# KiCad board motordecoder2-K3057.kicad_pcb (continued)
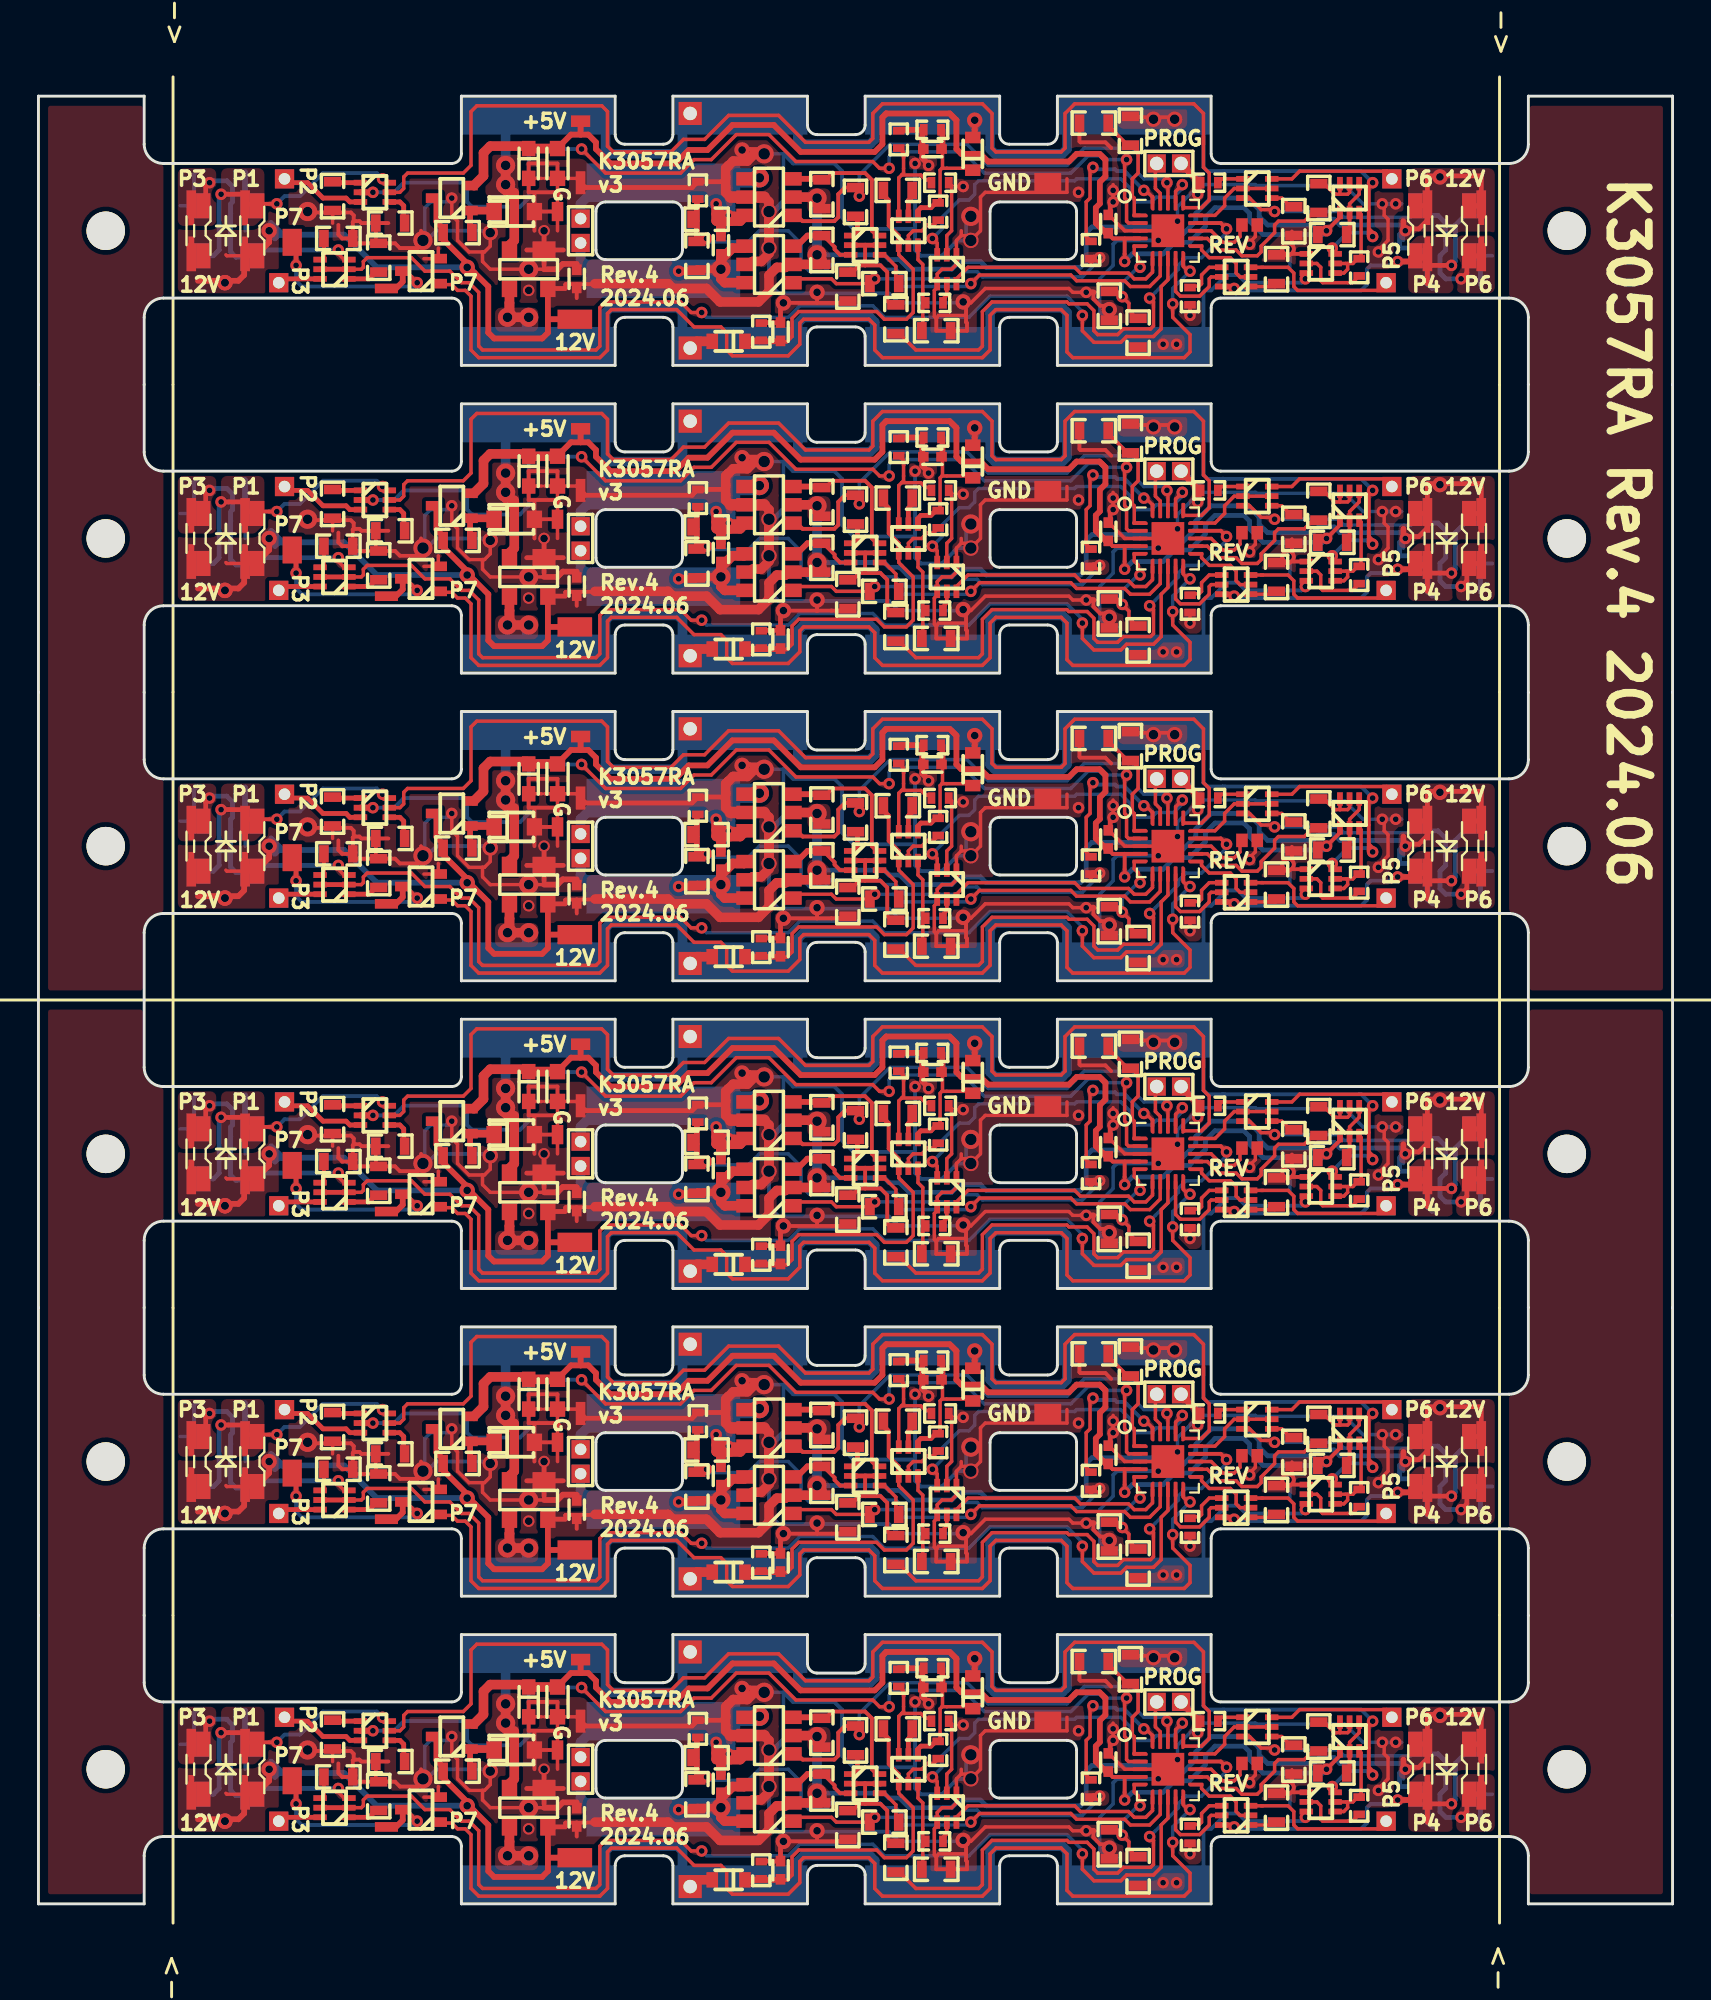
[diagram p0: board, top side]
## Routing (per net, layer and track width the routed paths; a pad name or vN(x,y) marks a point on that pad's centre or on a via; arc(x,y) is an arc through that point) (continued)
REV: length 159.9
  Top w0.18: U4.18 58.75,57.45 58.6,57.6 ; 58.6,25.6 58.75,25.45 U6.18 ; v1(42.7,88.8) 42.7,89.25 ; 58.6,73.6 58.75,73.45 U3.18 ; U7.18 58.75,9.45 58.6,9.6 ; v1(42.7,40.8) 42.7,41.25 ; 58.6,41.6 58.75,41.45 U5.18 ; U2.18 58.75,89.45 58.6,89.6 ; v1(42.7,72.8) 42.7,73.25 ; v1(42.7,8.8) 42.7,9.25 ; v1(42.7,24.8) 42.7,25.25 ; v1(42.7,56.8) 42.7,57.25
  Top w0.2: 42.53,89.33 42.35,89.33 ; 42.53,73.33 42.35,73.33 ; 42.6,89.25 41.95,89.25 41.6,88.9 41.6,87.7 41.4,87.5 39.75,87.5 39.45,87.8 Q1.1 ; Q53.1 39.45,23.8 39.75,23.5 41.4,23.5 41.6,23.7 41.6,24.9 41.95,25.25 42.6,25.25 ; 42.6,9.25 41.95,9.25 41.6,8.9 41.6,7.7 41.4,7.5 39.75,7.5 39.45,7.8 Q66.1 ; 42.4,73.33 42.47,73.33 ; 42.6,41.25 41.95,41.25 41.6,40.9 41.6,39.7 41.4,39.5 39.75,39.5 39.45,39.8 Q40.1 ; Q27.1 39.45,55.8 39.75,55.5 41.4,55.5 41.6,55.7 41.6,56.9 41.95,57.25 42.6,57.25 ; 42.53,25.33 42.35,25.33 ; 42.4,89.33 42.47,89.33 ; 42.4,9.33 42.47,9.33 ; Q4.1 39.45,71.8 39.75,71.5 41.4,71.5 41.6,71.7 41.6,72.9 41.95,73.25 42.6,73.25 ; 42.4,57.33 42.47,57.33 ; 42.4,25.33 42.47,25.33 ; 42.4,41.33 42.47,41.33 ; 42.53,57.33 42.35,57.33 ; 42.53,41.33 42.35,41.33 ; 42.53,9.33 42.35,9.33
  Bottom w0.18: v1(42.7,72.8) 42.7,73.9 44.3,75.5 48.3,75.5 49.4,74.4 53.5,74.4 54.4,75.3 56.9,75.3 57.2,75 57.2,74 57.5,73.7 58.5,73.7 58.6,73.6 ; 58.6,25.6 58.5,25.7 57.5,25.7 57.2,26 57.2,27 56.9,27.3 54.4,27.3 53.5,26.4 49.4,26.4 48.3,27.5 44.3,27.5 42.7,25.9 v1(42.7,24.8) ; v1(42.7,40.8) 42.7,41.9 44.3,43.5 48.3,43.5 49.4,42.4 53.5,42.4 54.4,43.3 56.9,43.3 57.2,43 57.2,42 57.5,41.7 58.5,41.7 58.6,41.6 ; v1(42.7,56.8) 42.7,57.9 44.3,59.5 48.3,59.5 49.4,58.4 53.5,58.4 54.4,59.3 56.9,59.3 57.2,59 57.2,58 57.5,57.7 58.5,57.7 58.6,57.6 ; 58.6,89.6 58.5,89.7 57.5,89.7 57.2,90 57.2,91 56.9,91.3 54.4,91.3 53.5,90.4 49.4,90.4 48.3,91.5 44.3,91.5 42.7,89.9 v1(42.7,88.8) ; 58.6,9.6 58.5,9.7 57.5,9.7 57.2,10 57.2,11 56.9,11.3 54.4,11.3 53.5,10.4 49.4,10.4 48.3,11.5 44.3,11.5 42.7,9.9 v1(42.7,8.8)
  vias: v1(58.7,89.5) v1(58.7,73.5) v1(58.7,57.5) v1(58.7,41.5) v1(58.7,25.5) v1(58.7,9.5)
TXD: length 48.7
  Top w0.18: U4.12 60.8,54.6 61.4,54 62.3,54 62.6,53.7 63.4,53.7 63.6,53.9 63.6,54.2 64.3,54.9 64.3,55.3 64.5,55.5 65.85,55.5 66.3,55.95 R81.2 ; R183.2 66.3,7.95 65.85,7.5 64.5,7.5 64.3,7.3 64.3,6.9 63.6,6.2 63.6,5.9 63.4,5.7 62.6,5.7 62.3,6 61.4,6 60.8,6.6 U7.12 ; U6.12 60.8,22.6 61.4,22 62.3,22 62.6,21.7 63.4,21.7 63.6,21.9 63.6,22.2 64.3,22.9 64.3,23.3 64.5,23.5 65.85,23.5 66.3,23.95 R149.2 ; R13.2 66.3,87.95 65.85,87.5 64.5,87.5 64.3,87.3 64.3,86.9 63.6,86.2 63.6,85.9 63.4,85.7 62.6,85.7 62.3,86 61.4,86 60.8,86.6 U2.12 ; U5.12 60.8,38.6 61.4,38 62.3,38 62.6,37.7 63.4,37.7 63.6,37.9 63.6,38.2 64.3,38.9 64.3,39.3 64.5,39.5 65.85,39.5 66.3,39.95 R115.2 ; U3.12 60.8,70.6 61.4,70 62.3,70 62.6,69.7 63.4,69.7 63.6,69.9 63.6,70.2 64.3,70.9 64.3,71.3 64.5,71.5 65.85,71.5 66.3,71.95 R47.2
UPDI: length 13.6
  Top w0.18: 58.06,42.5 58.1,42.47 58.1,41.2 58.35,40.95 U5.19 ; 58,58.53 58.06,58.6 ; 58,26.53 58.06,26.6 ; 58,42.53 58.06,42.6 ; 58.06,58.5 58.1,58.47 58.1,57.2 58.35,56.95 U4.19 ; 58,10.53 58.06,10.6 ; U2.19 58.35,88.95 58.1,89.2 58.1,90.47 58.06,90.5 ; 58.06,10.5 58.1,10.47 58.1,9.2 58.35,8.95 U7.19 ; 58,90.53 58.06,90.6 ; U6.19 58.35,24.95 58.1,25.2 58.1,26.47 58.06,26.5 ; 58.06,74.5 58.1,74.47 58.1,73.2 58.35,72.95 U3.19 ; 58,74.53 58.06,74.6
VRAIL+: length 46
  Top w0.18: 46.9,56.85 46.9,58.15 47,58.25 ; 46.9,56.85 46.9,56.6 46.75,56.45 46.68,56.45 ; 46.9,56.85 46.9,56.67 ; 47,74.25 47.03,74.28 47.03,75.25 ; 47,74.25 46.9,74.15 46.9,72.85 ; 47,74.25 48.65,74.25 48.75,74.15 ; 47,58.25 48.65,58.25 48.75,58.15 ; 47,58.25 47.03,58.28 47.03,59.25 ; 45.75,24.05 Q64.4 45.75,24 45.8,23.95 ; 45.8,39.95 45.75,40 Q51.4 45.75,40.05 ; 46.68,40.45 46.75,40.45 46.9,40.6 46.9,40.85 ; 45.75,8.05 Q77.4 45.75,8 45.8,7.95 ; 48.75,42.15 48.65,42.25 47,42.25 ; 47.03,91.25 47.03,90.28 47,90.25 ; 47,10.25 48.65,10.25 48.75,10.15 ; 47,10.25 47.03,10.28 47.03,11.25 ; 47,10.25 46.9,10.15 46.9,8.85 ; 45.8,87.95 45.75,88 Q21.4 45.75,88.05 ; 46.9,72.67 46.9,72.85 ; 46.9,72.85 46.9,72.6 46.75,72.45 46.68,72.45 ; 46.9,40.85 46.9,42.15 47,42.25 ; 46.9,40.85 46.9,40.67 ; 45.8,55.95 45.75,56 Q38.4 45.75,56.05 ; 46.68,88.45 46.75,88.45 46.9,88.6 46.9,88.85 ; 47,42.25 47.03,42.28 47.03,43.25 ; 47,26.25 46.9,26.15 46.9,24.85 ; 47,26.25 47.03,26.28 47.03,27.25 ; 47,26.25 48.65,26.25 48.75,26.15 ; 46.9,8.85 46.9,8.6 46.75,8.45 46.68,8.45 ; 46.9,8.85 46.9,8.67 ; 46.9,24.85 46.9,24.6 46.75,24.45 46.68,24.45 ; 46.9,24.85 46.9,24.67 ; 45.75,72.05 Q25.4 45.75,72 45.8,71.95 ; 47,90.25 48.65,90.25 48.75,90.15 ; 47,90.25 46.9,90.15 46.9,88.85 ; 46.9,88.85 46.9,88.67
  Top w0.25: 45.75,8.05 45.9,8.2 46.43,8.2 46.68,8.45 ; 45.75,72.05 45.9,72.2 46.43,72.2 46.68,72.45 ; 46.68,40.45 46.43,40.2 45.9,40.2 45.75,40.05 ; 46.68,24.45 46.43,24.2 45.9,24.2 45.75,24.05 ; 46.68,56.45 46.43,56.2 45.9,56.2 45.75,56.05 ; 46.68,88.45 46.43,88.2 45.9,88.2 45.75,88.05
  Top w0.3: 47.03,92.25 47.03,91.25 ; 47.03,60.25 47.03,59.25 ; 47.03,12.25 47.03,11.25 ; 47.03,76.25 47.03,75.25 ; 47.03,44.25 47.03,43.25 ; 47.03,28.25 47.03,27.25
VRAIL-: length 108.1
  Top w0.18: Q25.1 44.75,69.75 45.5,69 45.5,66.75 45.15,66.4 44,66.4 43.6,66.8 39.55,66.8 39.2,66.45 39.2,65.5 38.92,65.22 38.25,65.22 ; 38.25,17.22 38.92,17.22 39.2,17.5 39.2,18.45 39.55,18.8 43.6,18.8 44,18.4 45.15,18.4 45.5,18.75 45.5,21 44.75,21.75 Q64.1 ; Q51.1 44.75,37.75 45.5,37 45.5,34.75 45.15,34.4 44,34.4 43.6,34.8 39.55,34.8 39.2,34.45 39.2,33.5 38.92,33.22 38.25,33.22 ; 38.25,1.22 38.92,1.22 39.2,1.5 39.2,2.45 39.55,2.8 43.6,2.8 44,2.4 45.15,2.4 45.5,2.75 45.5,5 44.75,5.75 Q77.1 ; 43.95,40.85 R133.2 ; 38.25,81.22 38.92,81.22 39.2,81.5 39.2,82.45 39.55,82.8 43.6,82.8 44,82.4 45.15,82.4 45.5,82.75 45.5,85 44.75,85.75 Q21.1 ; 43.95,88.85 R35.2 ; 43.95,24.85 R167.2 ; 43.95,72.85 R65.2 ; 43.95,56.85 R99.2 ; Q38.1 44.75,53.75 45.5,53 45.5,50.75 45.15,50.4 44,50.4 43.6,50.8 39.55,50.8 39.2,50.45 39.2,49.5 38.92,49.22 38.25,49.22 ; 43.95,8.85 R201.2
  Top w0.2: 37.5,1.22 37.5,1.25 ; 37.5,17.22 37.5,17.25 ; 44.22,72.58 44.22,71.28 44.75,70.75 Q25.1 ; Q51.1 44.75,38.75 44.22,39.28 44.22,40.58 ; 44.22,8.58 44.22,7.28 44.75,6.75 Q77.1 ; 37.5,49.22 37.5,49.25 ; 37.5,81.22 37.5,81.25 ; Q64.1 44.75,22.75 44.22,23.28 44.22,24.58 ; 44.22,56.58 44.22,55.28 44.75,54.75 Q38.1 ; Q21.1 44.75,86.75 44.22,87.28 44.22,88.58 ; 37.5,65.22 37.5,65.25 ; 37.5,33.22 37.5,33.25
  Top w0.25: 44.22,56.58 43.95,56.85 ; 44.22,88.58 43.95,88.85 ; 44.22,72.58 43.95,72.85 ; 44.22,8.58 43.95,8.85 ; 44.22,40.58 43.95,40.85 ; 44.22,24.58 43.95,24.85
  Top w0.3: 37.22,17.25 D60.1 38.47,17.25 38.5,17.28 ; 37.22,1.25 D72.1 38.47,1.25 38.5,1.28 ; 37.22,49.25 D40.1 38.47,49.25 38.5,49.28 ; 38.5,81.28 38.47,81.25 D22.1 37.22,81.25 ; 38.5,33.28 38.47,33.25 D50.1 37.22,33.25 ; 37.22,65.25 D30.1 38.47,65.25 38.5,65.28
Net-(D3-K): length 14.7
  Top w0.3: 22.53,70.9 22.45,70.97 Q10.1 ; 23.65,40.05 D8.1 ; 22.53,86.9 22.45,86.97 Q5.1 ; 22.53,6.9 22.45,6.97 Q69.1 ; Q43.1 22.45,38.97 22.53,38.9 ; 22.53,54.9 22.45,54.97 Q30.1 ; 22.53,22.9 22.45,22.97 Q56.1 ; 23.65,8.05 D62.1 ; 23.65,88.05 D3.1 ; 23.65,56.05 D6.1 ; 23.65,72.05 D4.1 ; 23.65,24.05 D10.1
  Top w0.4: Q5.1 23.65,88.05 ; Q43.1 23.65,40.05 ; Q10.1 23.65,72.05 ; Q56.1 23.65,24.05 ; Q69.1 23.65,8.05 ; Q30.1 23.65,56.05
Net-(D11-K): length 98.3
  Top w0.18: D19.1 10.75,72.17 10.88,72.3 10.88,72.62 ; Q72.6 18.1,9.5 v1(17.9,9.7) ; D41.1 10.75,40.17 10.88,40.3 10.88,40.62 ; Q59.6 18.1,25.5 v1(17.9,25.7) ; Q18.6 18.1,73.5 v1(17.9,73.7) ; v1(17.9,57.7) 18.1,57.5 Q33.6 ; 10.88,8.62 10.88,8.3 10.75,8.17 D63.1 ; 10.88,88.62 10.88,88.3 10.75,88.17 D11.1 ; v1(17.9,89.7) 18.1,89.5 Q11.6 ; v1(17.9,41.7) 18.1,41.5 Q46.6 ; D51.1 10.75,24.17 10.88,24.3 10.88,24.62 ; 10.88,56.62 10.88,56.3 10.75,56.17 D31.1
  Top w0.2: v1(12.4,40.4) 10.97,40.4 10.88,40.3 ; 10.88,72.3 10.97,72.4 v1(12.4,72.4) ; 10.88,8.3 10.97,8.4 v1(12.4,8.4) ; 10.88,56.3 10.97,56.4 v1(12.4,56.4) ; v1(12.4,24.4) 10.97,24.4 10.88,24.3 ; v1(12.4,88.4) 10.97,88.4 10.88,88.3
  Top w0.25: v1(9.5,72.9) 10.8,72.9 ; v1(9.5,40.9) 10.8,40.9 ; v1(9.5,8.9) 10.8,8.9 ; v1(9.5,88.9) 10.8,88.9 ; v1(9.5,56.9) 10.8,56.9 ; v1(9.5,24.9) 10.8,24.9
  Bottom w0.18: 8,86.45 8,85.83 8.12,85.7 ; 8.12,37.7 8,37.83 8,38.45 ; 8,54.45 8,53.83 8.12,53.7 ; 8,70.45 8,69.83 8.12,69.7 ; 8,6.45 8,5.83 8.12,5.7 ; 8,22.45 8,21.83 8.12,21.7
  Bottom w0.2: v1(17.9,25.7) 17.6,26 14.8,26 13.6,24.8 12.8,24.8 v1(12.4,24.4) ; v1(12.4,8.4) 12.8,8.8 13.6,8.8 14.8,10 17.6,10 v1(17.9,9.7) ; v1(17.9,41.7) 17.6,42 14.8,42 13.6,40.8 12.8,40.8 v1(12.4,40.4) ; v1(17.9,89.7) 17.6,90 14.8,90 13.6,88.8 12.8,88.8 v1(12.4,88.4) ; v1(17.9,73.7) 17.6,74 14.8,74 13.6,72.8 12.8,72.8 v1(12.4,72.4) ; v1(12.4,56.4) 12.8,56.8 13.6,56.8 14.8,58 17.6,58 v1(17.9,57.7)
  Bottom w0.25: D23.1 8.5,69.62 D23.1 9.1,69.7 9.4,70 9.4,72.8 v1(9.5,72.9) ; v1(9.5,40.9) 9.4,40.8 9.4,38 9.1,37.7 D43.1 8.5,37.62 D43.1 ; D65.1 8.5,5.62 D65.1 9.1,5.7 9.4,6 9.4,8.8 v1(9.5,8.9) ; D13.1 8.5,85.62 D13.1 9.1,85.7 9.4,86 9.4,88.8 v1(9.5,88.9) ; D33.1 8.5,53.62 D33.1 9.1,53.7 9.4,54 9.4,56.8 v1(9.5,56.9) ; D53.1 8.5,21.62 D53.1 9.1,21.7 9.4,22 9.4,24.8 v1(9.5,24.9)
  Bottom w0.3: 8.62,85.7 8.62,86.03 ; 8.62,21.7 8.62,22.03 ; 8.62,37.7 8.62,38.03 ; 8.62,53.7 8.62,54.03 ; 8.62,69.7 8.62,70.03 ; 8.62,5.7 8.62,6.03
Net-(D12-K): length 132.4
  Top w0.18: 72.12,85.7 72.25,85.83 D12.1 ; D32.1 72.25,53.83 72.12,53.7 ; D42.1 72.25,37.83 72.12,37.7 ; D52.1 72.25,21.83 72.12,21.7 ; D20.1 72.25,69.83 72.12,69.7 ; D64.1 72.25,5.83 72.12,5.7
  Top w0.2: 72.12,69.7 72.3,69.7 ; 72.12,69.7 72.2,69.7 ; 72.12,69.7 72.12,69.38 ; 72.12,5.7 72.2,5.7 ; 72.12,5.7 72.3,5.7 ; 72.12,5.7 72.12,5.38 ; 72.12,21.7 72.3,21.7 ; 72.12,21.7 72.12,21.38 ; 72.12,21.7 72.2,21.7 ; 72.12,53.7 72.3,53.7 ; 72.12,53.7 72.2,53.7 ; 72.12,53.7 72.12,53.38 ; 72.12,37.7 72.2,37.7 ; 72.12,37.7 72.12,37.38 ; 72.12,37.7 72.3,37.7 ; 72.12,85.38 72.12,85.7 ; 72.12,85.7 72.2,85.7 ; 72.12,85.7 72.3,85.7
  Top w0.25: v1(62.2,84) 62.1,84.1 Q12.6 ; Q19.6 62.1,68.1 v1(62.2,68) ; 72.1,85.2 73.4,85.2 ; D42.1 72.25,36.25 ; v1(62.2,52) 62.1,52.1 Q34.6 ; D52.1 72.25,20.25 ; 72.1,5.2 73.4,5.2 ; D20.1 72.25,68.25 ; v1(62.2,20) 62.1,20.1 Q60.6 ; Q47.6 62.1,36.1 v1(62.2,36) ; D12.1 72.25,84.25 ; D32.1 72.25,52.25 ; v1(62.2,4) 62.1,4.1 Q73.6 ; 73.4,69.2 72.1,69.2 ; 72.1,53.2 73.4,53.2 ; D64.1 72.25,4.25 ; 73.4,21.2 72.1,21.2 ; 73.4,37.2 72.1,37.2
  Top w0.3: 72.03,5.6 72.12,5.7 ; 72.03,21.6 72.12,21.7 ; 72.03,69.6 72.12,69.7 ; v1(70.7,37.4) 71.32,37.4 D42.1 71.7,37.62 D42.1 ; D32.1 71.7,53.62 D32.1 71.32,53.4 v1(70.7,53.4) ; 72.03,85.6 72.12,85.7 ; D12.1 71.7,85.62 D12.1 71.32,85.4 v1(70.7,85.4) ; v1(70.7,21.4) 71.32,21.4 D52.1 71.7,21.62 D52.1 ; v1(70.7,5.4) 71.32,5.4 D64.1 71.7,5.62 D64.1 ; 72.03,37.6 72.12,37.7 ; 72.03,53.6 72.12,53.7 ; D20.1 71.7,69.62 D20.1 71.32,69.4 v1(70.7,69.4)
  Bottom w0.2: 74.88,72.3 75,72.17 75,71.55 ; 70.5,53.4 70.7,53.6 ; 74.88,40.3 75,40.17 75,39.55 ; 74.88,56.3 75,56.17 75,55.55 ; v1(70.7,85.4) 70.5,85.2 69.3,85.2 69.1,85 69.1,84.2 68.8,83.9 62.3,83.9 62.1,84.1 ; 74.88,8.3 75,8.17 75,7.55 ; v1(70.7,69.4) 70.5,69.2 69.3,69.2 69.1,69 69.1,68.2 68.8,67.9 62.3,67.9 62.1,68.1 ; 70.5,85.4 70.7,85.6 ; v1(70.7,53.4) 70.5,53.2 69.3,53.2 69.1,53 69.1,52.2 68.8,51.9 62.3,51.9 62.1,52.1 ; 75,23.55 75,24.17 74.88,24.3 ; v1(70.7,37.4) 70.5,37.2 69.3,37.2 69.1,37 69.1,36.2 68.8,35.9 62.3,35.9 62.1,36.1 ; 75,87.55 75,88.17 74.88,88.3 ; 70.5,21.4 70.7,21.6 ; 62.1,20.1 62.3,19.9 68.8,19.9 69.1,20.2 69.1,21 69.3,21.2 70.5,21.2 v1(70.7,21.4) ; 70.5,69.4 70.7,69.6 ; 70.5,5.4 70.7,5.6 ; 70.5,37.4 70.7,37.6 ; v1(70.7,5.4) 70.5,5.2 69.3,5.2 69.1,5 69.1,4.2 68.8,3.9 62.3,3.9 62.1,4.1
  Bottom w0.25: 74.7,87.8 74.2,87.8 ; 74.38,72.3 74.93,72.3 75,72.38 ; 74.38,56.3 74.93,56.3 75,56.38 ; 74.7,55.8 74.2,55.8 ; 74.38,71.97 73.7,71.3 73.7,69.4 v1(73.5,69.2) ; 74.38,23.97 73.7,23.3 73.7,21.4 v1(73.5,21.2) ; 74.38,8.3 74.93,8.3 75,8.38 ; 74.38,55.97 73.7,55.3 73.7,53.4 v1(73.5,53.2) ; 74.38,87.97 73.7,87.3 73.7,85.4 v1(73.5,85.2) ; 74.2,23.8 74.7,23.8 ; 74.7,7.8 74.2,7.8 ; v1(73.5,5.2) 73.7,5.4 73.7,7.3 74.38,7.97 ; 75,40.38 74.93,40.3 74.38,40.3 ; 75,24.38 74.93,24.3 74.38,24.3 ; 74.38,39.97 73.7,39.3 73.7,37.4 v1(73.5,37.2) ; 74.2,71.8 74.7,71.8 ; 74.38,88.3 74.93,88.3 75,88.38 ; 74.2,39.8 74.7,39.8
  Bottom w0.3: 74.38,7.97 74.38,8.3 ; 74.38,71.97 74.38,72.3 ; 74.38,23.97 74.38,24.3 ; 74.38,39.97 74.38,40.3 ; 74.38,87.97 74.38,88.3 ; 74.38,55.97 74.38,56.3
Net-(D15-K): length 128.1
  Top w0.18: 64.3,8.1 63.6,8.1 63,8.7 Q75.3 ; Q23.3 63,72.7 63.6,72.1 64.3,72.1 ; Q14.3 63,88.7 63.6,88.1 64.3,88.1 ; Q36.3 63,56.7 63.6,56.1 64.3,56.1 ; 64.3,40.1 63.6,40.1 63,40.7 Q49.3 ; Q62.3 63,24.7 63.6,24.1 64.3,24.1
  Top w0.25: D47.1 D47.1 74.97,37.7 D47.1 74.3,37.58 74.3,36.8 v1(74,36.5) ; 74,36.6 74,36.59 ; D17.1 D17.1 74.97,85.7 D17.1 74.3,85.58 74.3,84.8 v1(74,84.5) ; v1(74,68.5) 74.3,68.8 74.3,69.58 D27.1 74.97,69.7 D27.1 D27.1 ; 74,84.6 74,84.59 ; D57.1 D57.1 74.97,21.7 D57.1 74.3,21.58 74.3,20.8 v1(74,20.5) ; v1(74,4.5) 74.3,4.8 74.3,5.58 D69.1 74.97,5.7 D69.1 D69.1 ; 74,4.6 74,4.59 ; 74,20.6 74,20.59 ; 74,68.6 74,68.59 ; 64.3,72.1 64.3,72.09 ; 64.3,56.1 64.3,56.09 ; D37.1 D37.1 74.97,53.7 D37.1 74.3,53.58 74.3,52.8 v1(74,52.5) ; 64.3,40.1 64.3,40.09 ; 64.3,8.1 64.3,8.09 ; 64.3,24.1 64.3,24.09 ; 64.3,88.1 64.3,88.09 ; 74,52.6 74,52.59
  Bottom w0.18: 64.39,8 64.3,8.09 ; 72.2,39.8 71.5,39.8 71.4,39.7 67.9,39.7 67.6,40 64.19,40 ; 72.2,7.8 71.5,7.8 71.4,7.7 67.9,7.7 67.6,8 64.19,8 ; 72.12,24.3 72.25,24.17 D55.1 ; 72.12,88.3 72.25,88.17 D15.1 ; 64.39,72 64.3,72.09 ; 64.39,56 64.3,56.09 ; 72.12,8.3 72.25,8.17 D67.1 ; 72.2,55.8 71.5,55.8 71.4,55.7 67.9,55.7 67.6,56 64.19,56 ; 72.12,56.3 72.25,56.17 D35.1 ; 72.2,71.8 71.5,71.8 71.4,71.7 67.9,71.7 67.6,72 64.19,72 ; 72.2,23.8 71.5,23.8 71.4,23.7 67.9,23.7 67.6,24 64.19,24 ; 72.12,40.3 72.25,40.17 D45.1 ; 72.12,72.3 72.25,72.17 D25.1 ; 64.39,24 64.3,24.09 ; 64.19,88 67.6,88 67.9,87.7 71.4,87.7 71.5,87.8 72.2,87.8 ; 64.39,88 64.3,88.09 ; 64.39,40 64.3,40.09
  Bottom w0.25: 72.25,71.45 D25.1 D25.1 72.18,72.3 D25.1 72.12,71.8 72.8,71.8 73.2,71.4 73.2,70 72.9,69.7 72.9,68.8 73.2,68.5 v1(74,68.5) ; v1(74,84.5) 73.2,84.5 72.9,84.8 72.9,85.7 73.2,86 73.2,87.4 72.8,87.8 72.12,87.8 D15.1 72.18,88.3 D15.1 D15.1 72.25,87.45 ; 72.25,39.45 D45.1 D45.1 72.18,40.3 D45.1 72.12,39.8 72.8,39.8 73.2,39.4 73.2,38 72.9,37.7 72.9,36.8 73.2,36.5 v1(74,36.5) ; v1(74,52.5) 73.2,52.5 72.9,52.8 72.9,53.7 73.2,54 73.2,55.4 72.8,55.8 72.12,55.8 D35.1 72.18,56.3 D35.1 D35.1 72.25,55.45 ; v1(74,20.5) 73.2,20.5 72.9,20.8 72.9,21.7 73.2,22 73.2,23.4 72.8,23.8 72.12,23.8 D55.1 72.18,24.3 D55.1 D55.1 72.25,23.45 ; 72.25,7.45 D67.1 D67.1 72.18,8.3 D67.1 72.12,7.8 72.8,7.8 73.2,7.4 73.2,6 72.9,5.7 72.9,4.8 73.2,4.5 v1(74,4.5)
  vias: v1(64.3,88) v1(64.3,72) v1(64.3,56) v1(64.3,40) v1(64.3,24) v1(64.3,8)
Net-(D16-K): length 82.3
  Top w0.18: Q35.3 15.9,53.5 15.6,53.8 v1(15.6,54) ; v1(15.6,70) 15.6,69.8 15.9,69.5 Q20.3 ; Q74.3 15.9,5.5 15.6,5.8 v1(15.6,6) ; Q61.3 15.9,21.5 15.6,21.8 v1(15.6,22) ; v1(15.6,86) 15.6,85.8 15.9,85.5 Q13.3 ; v1(15.6,38) 15.6,37.8 15.9,37.5 Q48.3
  Top w0.25: v1(8.9,9.5) 8.7,9.3 8.7,8.42 D70.1 ; D58.1 8.7,24.42 8.7,25.3 v1(8.9,25.5) ; v1(8.9,57.5) 8.7,57.3 8.7,56.42 D38.1 ; v1(8.9,41.5) 8.7,41.3 8.7,40.42 D48.1 ; v1(8.9,73.5) 8.7,73.3 8.7,72.42 D28.1 ; D18.1 8.7,88.42 8.7,89.3 v1(8.9,89.5)
  Bottom w0.18: 11.17,38 10.88,37.7 10.75,37.83 D46.1 ; 11.17,22 10.88,21.7 10.75,21.83 D56.1 ; D68.1 10.75,5.83 10.88,5.7 11.17,6 ; 11.17,70 10.88,69.7 10.75,69.83 D26.1 ; D16.1 10.75,85.83 10.88,85.7 11.17,86 ; 11.17,54 10.88,53.7 10.75,53.83 D36.1
  Bottom w0.25: 8.8,73.5 8.9,73.4 9.1,73.6 9.8,73.6 10.1,73.3 10.1,72.5 10,72.4 10,69.9 10.28,69.62 D26.1 ; D36.1 10.28,53.62 10,53.9 10,56.4 10.1,56.5 10.1,57.3 9.8,57.6 9.1,57.6 8.9,57.4 8.8,57.5 ; 8.8,9.5 8.9,9.4 9.1,9.6 9.8,9.6 10.1,9.3 10.1,8.5 10,8.4 10,5.9 10.28,5.62 D68.1 ; D16.1 10.28,85.62 10,85.9 10,88.4 10.1,88.5 10.1,89.3 9.8,89.6 9.1,89.6 8.9,89.4 8.8,89.5 ; D46.1 10.28,37.62 10,37.9 10,40.4 10.1,40.5 10.1,41.3 9.8,41.6 9.1,41.6 8.9,41.4 8.8,41.5 ; v1(15.6,86) 11.17,86 ; v1(15.6,54) 11.17,54 ; v1(15.6,38) 11.17,38 ; v1(15.6,70) 11.17,70 ; v1(15.6,22) 11.17,22 ; v1(15.6,6) 11.17,6 ; 8.8,25.5 8.9,25.4 9.1,25.6 9.8,25.6 10.1,25.3 10.1,24.5 10,24.4 10,21.9 10.28,21.62 D56.1
Net-(J12-Pin_1): length 48.6
  Top w0.18: 63.6,85.1 65,85.1 65.3,84.8 65.3,84.1 65.5,83.9 70.15,83.9 ; Q34.3 63.7,53.1 ; Q73.3 63.7,5.1 ; Q60.3 63.7,21.1 ; 63.6,37.1 65,37.1 65.3,36.8 65.3,36.1 65.5,35.9 70.15,35.9 ; Q12.3 63.7,85.1 ; 70.15,51.9 65.5,51.9 65.3,52.1 65.3,52.8 65,53.1 63.6,53.1 ; 70.15,3.9 65.5,3.9 65.3,4.1 65.3,4.8 65,5.1 63.6,5.1 ; Q19.3 63.7,69.1 ; 63.6,69.1 65,69.1 65.3,68.8 65.3,68.1 65.5,67.9 70.15,67.9 ; 63.6,21.1 65,21.1 65.3,20.8 65.3,20.1 65.5,19.9 70.15,19.9 ; Q47.3 63.7,37.1
Net-(J14-Pin_1): length 14.4
  Top w0.25: Q35.6 12.25,52.5 ; Q20.6 12.25,68.5 ; Q48.6 12.25,36.5 ; Q13.6 12.25,84.5 ; Q61.6 12.25,20.5 ; Q74.6 12.25,4.5
Net-(J16-Pin_1): length 42.1
  Top w0.18: Q75.6 65.2,9.7 65.6,10.1 70.15,10.1 70.75,9.5 ; Q23.6 65.2,73.7 65.6,74.1 70.15,74.1 70.75,73.5 ; Q36.6 65.2,57.7 65.6,58.1 70.15,58.1 70.75,57.5 ; Q62.6 65.2,25.7 65.6,26.1 70.15,26.1 70.75,25.5 ; 70.75,41.5 70.15,42.1 65.6,42.1 65.2,41.7 Q49.6 ; Q14.6 65.2,89.7 65.6,90.1 70.15,90.1 70.75,89.5
Net-(J18-Pin_1): length 26.7
  Top w0.2: 13,89.5 J18.1 ; 13,9.5 J45.1 ; 13,57.5 J27.1 ; 13,41.5 J33.1 ; 13,73.5 J21.1 ; 13,25.5 J39.1
  Top w0.25: Q46.3 16.2,40.5 16,40.7 14.8,40.7 14,41.5 13,41.5 ; 13,57.5 14,57.5 14.8,56.7 16,56.7 16.2,56.5 Q33.3 ; 13,73.5 14,73.5 14.8,72.7 16,72.7 16.2,72.5 Q18.3 ; 13,9.5 14,9.5 14.8,8.7 16,8.7 16.2,8.5 Q72.3 ; 13,25.5 14,25.5 14.8,24.7 16,24.7 16.2,24.5 Q59.3 ; 13,89.5 14,89.5 14.8,88.7 16,88.7 16.2,88.5 Q11.3
Net-(J19-Pin_1): length 62.6
  Top w0.2: Q76.3 19.1,4.9 v1(19.7,4.3) ; Q37.3 19.1,52.9 v1(19.7,52.3) ; v1(19.7,20.3) 19.1,20.9 Q63.3 ; v1(19.7,68.3) 19.1,68.9 Q24.3 ; v1(19.7,36.3) 19.1,36.9 Q50.3 ; v1(19.7,84.3) 19.1,84.9 Q15.3
  Top w0.25: v1(13.4,85.2) 13.4,85.8 13.2,86 ; 13.2,38 13.4,37.8 v1(13.4,37.2) ; 13.2,54 13.4,53.8 v1(13.4,53.2) ; 13.2,70 13.4,69.8 v1(13.4,69.2) ; 13.2,22 13.4,21.8 v1(13.4,21.2) ; 13.2,6 13.4,5.8 v1(13.4,5.2)
  Top w0.3: Q24.3 18.95,68.35 18.6,68 ; Q50.3 18.95,36.35 18.6,36 ; J20.1 18.3,84 ; Q76.3 18.95,4.35 18.6,4 ; 18.6,20 18.95,20.35 Q63.3 ; Q37.3 18.95,52.35 18.6,52 ; J41.1 18.3,20 ; J29.1 18.3,52 ; 18.6,84 18.95,84.35 Q15.3 ; J35.1 18.3,36 ; J47.1 18.3,4 ; J23.1 18.3,68
  Bottom w0.2: v1(13.4,53.2) 13.4,52.4 13.7,52.1 19.5,52.1 v1(19.7,52.3) ; v1(13.4,5.2) 13.4,4.4 13.7,4.1 19.5,4.1 v1(19.7,4.3) ; v1(19.7,68.3) 19.5,68.1 13.7,68.1 13.4,68.4 v1(13.4,69.2) ; v1(19.7,36.3) 19.5,36.1 13.7,36.1 13.4,36.4 v1(13.4,37.2) ; v1(19.7,20.3) 19.5,20.1 13.7,20.1 13.4,20.4 v1(13.4,21.2) ; v1(13.4,85.2) 13.4,84.4 13.7,84.1 19.5,84.1 v1(19.7,84.3)
Net-(Q1B-G): length 44.8
  Top w0.2: Q9.6 43.6,70.75 43.35,71 43.35,73.65 43,74 41.3,74 40.95,73.65 R29.2 ; R173.2 40.95,9.65 41.3,10 43,10 43.35,9.65 43.35,7 43.6,6.75 Q68.6 ; Q3.6 43.6,86.75 43.35,87 43.35,89.65 43,90 41.3,90 40.95,89.65 R3.2 ; Q42.6 43.6,38.75 43.35,39 43.35,41.65 43,42 41.3,42 40.95,41.65 R105.2 ; R139.2 40.95,25.65 41.3,26 43,26 43.35,25.65 43.35,23 43.6,22.75 Q55.6 ; R71.2 40.95,57.65 41.3,58 43,58 43.35,57.65 43.35,55 43.6,54.75 Q29.6
  Top w0.3: Q27.3 40.62,57.7 ; Q66.3 40.62,9.7 ; Q1.3 40.62,89.7 ; Q4.3 40.62,73.7 ; Q53.3 40.62,25.7 ; Q40.3 40.62,41.7
Net-(Q2B-G): length 23
  Top w0.2: Q9.3 41.7,69.75 41.41,70.04 41.41,70.16 40.75,70.83 ; 40.75,86.83 41.41,86.16 41.41,86.04 41.7,85.75 Q3.3 ; 40.75,22.83 41.41,22.16 41.41,22.04 41.7,21.75 Q55.3 ; 40.75,54.83 41.41,54.16 41.41,54.04 41.7,53.75 Q29.3 ; Q42.3 41.7,37.75 41.41,38.04 41.41,38.16 40.75,38.83 ; 40.75,6.83 41.41,6.16 41.41,6.04 41.7,5.75 Q68.3
  Top w0.3: Q67.3 39.45,6.2 40,6.75 40.67,6.75 40.75,6.83 ; 40.75,22.83 40.67,22.75 40,22.75 39.45,22.2 Q54.3 ; 40.75,38.83 40.67,38.75 40,38.75 39.45,38.2 Q41.3 ; 40.75,70.83 40.67,70.75 40,70.75 39.45,70.2 Q7.3 ; 40.75,86.83 40.67,86.75 40,86.75 39.45,86.2 Q2.3 ; Q28.3 39.45,54.2 40,54.75 40.67,54.75 40.75,54.83
Net-(Q3A-B1): length 42.5
  Top w0.2: Q3.5 43.8,86.2 ; 44.5,67.03 44.15,67.38 44.15,68.85 43.8,69.2 43,69.2 ; 43,85.2 42.7,85.2 42.35,84.85 R8.1 ; 43,85.2 43.8,85.2 44.15,84.85 44.15,83.38 44.5,83.03 ; 43,85.2 43,86.25 ; R42.1 42.35,68.85 42.7,69.2 43,69.2 ; 43,21.2 43,22.25 ; 43,21.2 43.8,21.2 44.15,20.85 44.15,19.38 44.5,19.03 ; 43,21.2 42.7,21.2 42.35,20.85 R144.1 ; R76.1 42.35,52.85 42.7,53.2 43,53.2 ; 43,69.2 43,70.25 ; 44.5,35.03 44.15,35.38 44.15,36.85 43.8,37.2 43,37.2 ; 42.18,20.88 42.18,20.92 42.25,21 ; 43,53.2 43,54.25 ; 43,53.2 43.8,53.2 44.15,52.85 44.15,51.38 44.5,51.03 ; Q29.5 43.8,54.2 ; 42.18,84.88 42.18,84.92 42.25,85 ; R178.1 42.35,4.85 42.7,5.2 43,5.2 ; 42.18,36.88 42.18,36.92 42.25,37 ; Q68.5 43.8,6.2 ; Q9.5 43.8,70.2 ; 43,37.2 42.7,37.2 42.35,36.85 R110.1 ; 43,37.2 43,38.25 ; 42.18,68.88 42.18,68.92 42.25,69 ; 43,5.2 43,6.25 ; 43,5.2 43.8,5.2 44.15,4.85 44.15,3.38 44.5,3.03 ; 42.18,4.88 42.18,4.92 42.25,5 ; 42.25,53 42.18,52.92 42.18,52.88 ; Q42.5 43.8,38.2 ; Q55.5 43.8,22.2
  Top w0.25: Q29.5 Q29.2 ; Q3.5 Q3.2 ; Q68.5 Q68.2 ; Q42.2 Q42.5 ; Q9.2 Q9.5 ; Q55.5 Q55.2
Net-(Q3A-E1): length 7.2
  Top w0.2: Q55.1 42.35,22.75 ; Q9.1 42.35,70.75 ; Q42.1 42.35,38.75 ; Q68.1 42.35,6.75 ; Q3.1 42.35,86.75 ; Q29.1 42.35,54.75
  Top w0.25: 42.6,55.75 42.6,55 42.35,54.75 ; 42.6,7.75 42.6,7 42.35,6.75 ; 42.35,38.75 42.6,39 42.6,39.75 ; 42.6,23.75 42.6,23 42.35,22.75 ; 42.6,71.75 42.6,71 42.35,70.75 ; 42.6,87.75 42.6,87 42.35,86.75
Net-(Q3B-E2): length 12.6
  Top w0.18: 44.82,52.25 44.6,52.47 44.6,53.15 44,53.75 Q29.4 ; 44.82,68.25 44.6,68.47 44.6,69.15 44,69.75 Q9.4 ; 44.82,84.25 44.6,84.47 44.6,85.15 44,85.75 Q3.4 ; Q68.4 44,5.75 44.6,5.15 44.6,4.47 44.82,4.25 ; 44.82,36.25 44.6,36.47 44.6,37.15 44,37.75 Q42.4 ; Q55.4 44,21.75 44.6,21.15 44.6,20.47 44.82,20.25
Net-(Q6A-B1): length 17.3
  Top w0.18: Q31.4 68.7,56.9 68.2,56.4 Q31.2 ; Q70.2 68.2,8.4 68.7,8.9 Q70.4 ; Q44.2 68.2,40.4 68.7,40.9 Q44.4 ; Q16.2 68.2,72.4 68.7,72.9 Q16.4 ; Q57.4 68.7,24.9 68.2,24.4 Q57.2 ; Q6.2 68.2,88.4 68.7,88.9 Q6.4
  Top w0.2: 68.12,86.8 68.2,86.88 Q6.2 ; 68.12,38.8 68.2,38.88 Q44.2 ; 68.12,70.8 68.2,70.88 Q16.2 ; Q70.2 68.2,6.88 68.12,6.8 ; 68.12,54.8 68.2,54.88 Q31.2 ; Q57.2 68.2,22.88 68.12,22.8
Net-(Q6A-C1): length 17.2
  Top w0.18: Q6.5 68.2,89 68.1,88.9 67.7,88.9 ; 67.7,8.9 Q70.6 ; 67.7,8.9 68.1,8.9 68.2,9 Q70.5 ; 67.7,8.9 67.43,8.9 66.88,9.45 R183.1 ; 67.7,24.9 Q57.6 ; 67.7,24.9 67.43,24.9 66.88,25.45 R149.1 ; 67.7,24.9 68.1,24.9 68.2,25 Q57.5 ; 67.7,72.9 67.43,72.9 66.88,73.45 R47.1 ; 67.7,72.9 Q16.6 ; 67.7,72.9 68.1,72.9 68.2,73 Q16.5 ; 67.7,40.9 Q44.6 ; 67.7,40.9 68.1,40.9 68.2,41 Q44.5 ; 67.7,40.9 67.43,40.9 66.88,41.45 R115.1 ; 67.7,88.9 67.43,88.9 66.88,89.45 R13.1 ; 67.7,88.9 Q6.6 ; 67.7,56.9 67.43,56.9 66.88,57.45 R81.1 ; 67.7,56.9 Q31.6 ; 67.7,56.9 68.1,56.9 68.2,57 Q31.5
Net-(Q6B-C2): length 29
  Top w0.18: Q17.5 68.38,69.3 68.8,69.72 68.8,71.85 Q16.3 ; Q31.3 68.8,55.85 68.8,53.72 68.38,53.3 Q32.5 ; Q6.3 68.8,87.85 68.8,85.72 68.38,85.3 Q8.5 ; 68.1,53.3 68.1,53 67.9,52.8 Q32.4 ; Q45.4 67.9,36.8 68.1,37 68.1,37.3 ; Q17.4 67.9,68.8 68.1,69 68.1,69.3 ; Q8.4 67.9,84.8 68.1,85 68.1,85.3 ; 68.1,5.3 68.1,5 67.9,4.8 Q71.4 ; Q71.5 68.38,5.3 68.8,5.72 68.8,7.85 Q70.3 ; Q58.5 68.38,21.3 68.8,21.72 68.8,23.85 Q57.3 ; 68.1,21.3 68.1,21 67.9,20.8 Q58.4 ; Q44.3 68.8,39.85 68.8,37.72 68.38,37.3 Q45.5
Net-(Q8A-B1): length 22.3
  Top w0.18: R151.2 68.35,20.3 66.8,20.3 66.7,20.4 66.7,21.1 66.5,21.3 Q58.2 ; R49.2 68.35,68.3 66.8,68.3 66.7,68.4 66.7,69.1 66.5,69.3 Q17.2 ; R185.2 68.35,4.3 66.8,4.3 66.7,4.4 66.7,5.1 66.5,5.3 Q71.2 ; R117.2 68.35,36.3 66.8,36.3 66.7,36.4 66.7,37.1 66.5,37.3 Q45.2 ; Q32.2 66.5,53.3 66.7,53.1 66.7,52.4 66.8,52.3 68.35,52.3 R83.2 ; Q8.2 66.5,85.3 66.7,85.1 66.7,84.4 66.8,84.3 68.35,84.3 R15.2
Net-(Q11A-S): length 8.8
  Top w0.2: 15.33,73.5 15.3,73.53 ; 15.33,41.5 15.3,41.53 ; 15.33,25.5 15.3,25.53 ; 15.33,9.5 15.3,9.53 ; 15.33,57.5 15.3,57.53 ; 15.33,89.5 15.3,89.53
  Top w0.25: Q59.1 15.33,25.5 ; Q33.1 15.33,57.5 ; Q18.1 15.33,73.5 ; Q11.1 15.33,89.5 ; Q72.1 15.33,9.5 ; Q46.1 15.33,41.5
Net-(Q11B-S): length 10.5
  Top w0.25: Q11.4 18.8,88.5 19,88.3 19,87.45 R26.1 ; Q33.4 18.8,56.5 19,56.3 19,55.45 R92.1 ; R194.1 19,7.45 19,8.3 18.8,8.5 Q72.4 ; R160.1 19,23.45 19,24.3 18.8,24.5 Q59.4 ; R126.1 19,39.45 19,40.3 18.8,40.5 Q46.4 ; R58.1 19,71.45 19,72.3 18.8,72.5 Q18.4
Net-(Q12A-S): length 8.3
  Top w0.18: 64.4,36.17 64.32,36.1 Q47.1 ; Q12.1 64.32,84.1 64.4,84.17 ; Q19.1 64.32,68.1 64.4,68.17 ; 64.4,20.17 64.32,20.1 Q60.1 ; 64.4,52.17 64.32,52.1 Q34.1 ; 64.4,4.17 64.32,4.1 Q73.1
Net-(Q12B-S): length 13.9
  Top w0.18: Q47.4 60.9,37.1 60.5,36.7 60.5,36.25 60.38,36.12 59.9,36.12 ; 59.9,84.12 60.38,84.12 60.5,84.25 60.5,84.7 60.9,85.1 Q12.4 ; Q34.4 60.9,53.1 60.5,52.7 60.5,52.25 60.38,52.12 59.9,52.12 ; Q19.4 60.9,69.1 60.5,68.7 60.5,68.25 60.38,68.12 59.9,68.12 ; 59.9,4.12 60.38,4.12 60.5,4.25 60.5,4.7 60.9,5.1 Q73.4 ; Q60.4 60.9,21.1 60.5,20.7 60.5,20.25 60.38,20.12 59.9,20.12